# EAGLE board Mk4 Final Panel 8up 4x2 (EAGLE 9.0.1), part 5 of 23
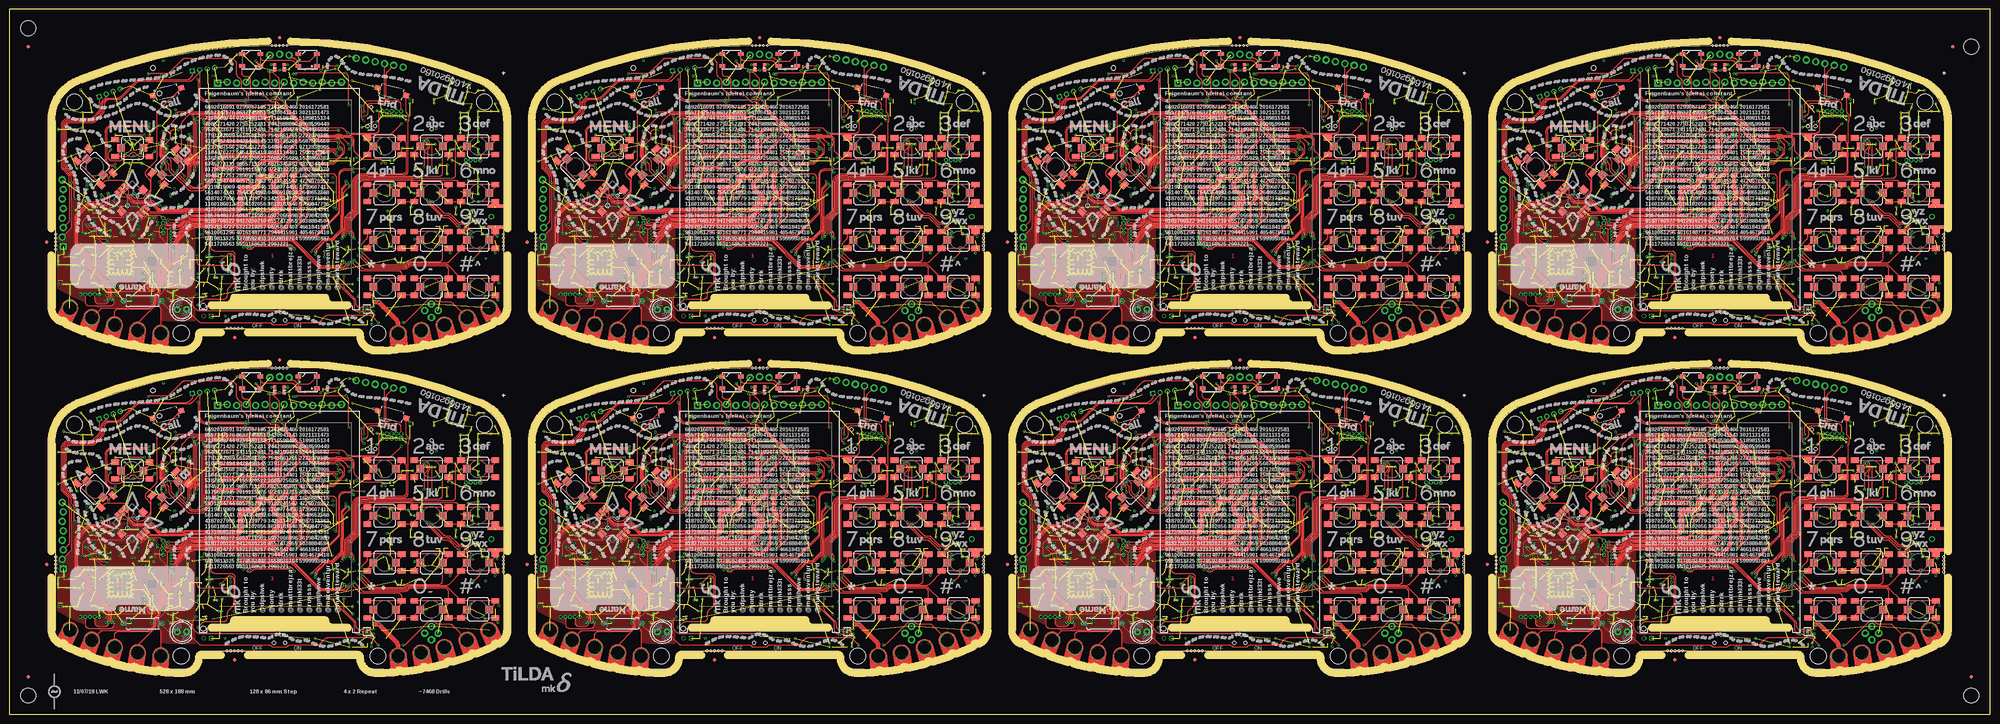
[diagram p0: board, top side]
## Nets (continued)
GND3: ANT7.2 ANT7.3 ANT7.4 ANT8.2 ANT8.3 ANT8.4 C325.1 C326.1 C327.2 C328.1 C329.1 C330.1 C331.1 C332.1 C333.1 C334.1 C335.1 C336.1 C337.1 C338.1 C339.1 C340.1 C341.1 C342.1 C343.1 C344.1 C345.1 C346.1 C347.1 C348.1 C349.1 C350.1 C351.1 C352.1 C353.1 C354.1 C355.- C356.1 C357.1 C358.- C359.2 C360.2 C361.2 C362.2 C363.2 C364.2 C365.1 C367.2 C368.2 C369.1 C370.1 C371.1 C372.1 C373.1 C374.1 C376.2 C377.2 C378.2 C380.2 C382.2 C383.2 C384.2 C386.2 C387.1 C388.1 C389.1 C390.1 C391.1 C392.1 C393.1 C394.1 C395.1 C401.2 C402.1 C403.1 C404.2 C405.2 C406.2 C407.2 C408.2 C409.2 C410.2 C411.2 C412.2 C413.2 C414.2 C415.2 C416.2 C417.2 C418.2 C419.2 C420.2 C421.2 C422.1 C423.1 C424.1 C425.1 C426.2 C428.2 C430.2 C431.2 C432.2 D7.A D8.2 FL4.GND@2 FL4.GND@4 IC55.6 IC55.12 IC55.28 IC55.41 IC55.46 IC55.52 IC55.54 IC56.10 IC56.17 IC56.48 IC56.55 IC56.58 IC56.80 IC56.114 IC57.8 IC57.13 IC57.19 IC57.21 IC57.27 IC57.30 IC57.31 IC57.33 IC57.36 IC57.37 IC58.4 IC59.3 IC60.17 IC60.18 IC60.25 IC61.3 IC62.4 IC63.7 IC64.7 IC64.PAD IC65.PAD IC66.4 IC67.9 IC67.18 IC67.23 IC67.24 IC67.25 IC68.2 IC68.4 IC69.3 IC69.5 IC70.2 IC70.3 IC70.PAD IC71.2 IC71.3 IC72.3 J31.6 J31.11 J31.12 J31.13 J31.14 J31.15 J31.16 J31.17 J31.18 J31.19 J31.20 J31.21 J31.22 J31.23 J31.24 J31.25 J31.26 J31.27 J31.28 J31.29 J31.30 J31.31 J31.32 J31.43 J31.48 J31.49 J31.50 J32.1 J33.3 J33.5 J33.9 J34.C4 J34.C5 J34.GND1 J34.GND2 J34.GND3 J34.GND4 J34.GND5 J34.GND6 J36.4 J36.8 J36.SS1 J36.SS2 J37.4 J38.4 J38.8 J38.SS1 J38.SS2 J39.G@1 J39.G@2 J39.G@3 J39.G@4 J40.1 JP28.5 JP29.1 JP30.1 JP30.2 JP30.4 JP31.1 JP32.1 JP33.1 JP34.1 JP35.1 JP36.1 LED19.3 LED20.3 LED21.C LED22.C PCB3.GND Q13.4 Q13.EP2 Q14.2 Q15.2 R243.2 R247.2 R253.1 R255.2 R257.2 R263.2 R268.2 R270.2 R277.2 R278.2 R285.2 R289.1 R293.2 R295.2 R296.2 R297.2 R298.2 R299.2 R304.2 R305.2 R306.2 R311.2 S64.1 S64.A1 S64.A2 S65.1 S65.A1 S65.A2 S66.1 S66.A1 S66.A2 S67.1 S67.A1 S67.A2 S68.1 S68.A1 S68.A2 S69.1 S69.A1 S69.A2 S70.1 S70.A1 S70.A2 S71.1 S71.A1 S71.A2 S72.1 S72.A1 S72.A2 S73.1 S73.A1 S73.A2 S74.1 S74.A1 S74.A2 S75.1 S75.A1 S75.A2 S76.1 S76.A1 S76.A2 S77.1 S77.A1 S77.A2 S78.1 S78.A1 S78.A2 S79.1 S80.1 S81.2 S82.1 S83.1 TP74.TP U10.GND X14.2 X14.4 X16.2 X16.4
GND4: ANT9.2 ANT9.3 ANT9.4 ANT10.2 ANT10.3 ANT10.4 C433.1 C434.1 C435.2 C436.1 C437.1 C438.1 C439.1 C440.1 C441.1 C442.1 C443.1 C444.1 C445.1 C446.1 C447.1 C448.1 C449.1 C450.1 C451.1 C452.1 C453.1 C454.1 C455.1 C456.1 C457.1 C458.1 C459.1 C460.1 C461.1 C462.1 C463.- C464.1 C465.1 C466.- C467.2 C468.2 C469.2 C470.2 C471.2 C472.2 C473.1 C475.2 C476.2 C477.1 C478.1 C479.1 C480.1 C481.1 C482.1 C484.2 C485.2 C486.2 C488.2 C490.2 C491.2 C492.2 C494.2 C495.1 C496.1 C497.1 C498.1 C499.1 C500.1 C501.1 C502.1 C503.1 C509.2 C510.1 C511.1 C512.2 C513.2 C514.2 C515.2 C516.2 C517.2 C518.2 C519.2 C520.2 C521.2 C522.2 C523.2 C524.2 C525.2 C526.2 C527.2 C528.2 C529.2 C530.1 C531.1 C532.1 C533.1 C534.2 C536.2 C538.2 C539.2 C540.2 D9.A D10.2 FL5.GND@2 FL5.GND@4 IC73.6 IC73.12 IC73.28 IC73.41 IC73.46 IC73.52 IC73.54 IC74.10 IC74.17 IC74.48 IC74.55 IC74.58 IC74.80 IC74.114 IC75.8 IC75.13 IC75.19 IC75.21 IC75.27 IC75.30 IC75.31 IC75.33 IC75.36 IC75.37 IC76.4 IC77.3 IC78.17 IC78.18 IC78.25 IC79.3 IC80.4 IC81.7 IC82.7 IC82.PAD IC83.PAD IC84.4 IC85.9 IC85.18 IC85.23 IC85.24 IC85.25 IC86.2 IC86.4 IC87.3 IC87.5 IC88.2 IC88.3 IC88.PAD IC89.2 IC89.3 IC90.3 J41.6 J41.11 J41.12 J41.13 J41.14 J41.15 J41.16 J41.17 J41.18 J41.19 J41.20 J41.21 J41.22 J41.23 J41.24 J41.25 J41.26 J41.27 J41.28 J41.29 J41.30 J41.31 J41.32 J41.43 J41.48 J41.49 J41.50 J42.1 J43.3 J43.5 J43.9 J44.C4 J44.C5 J44.GND1 J44.GND2 J44.GND3 J44.GND4 J44.GND5 J44.GND6 J46.4 J46.8 J46.SS1 J46.SS2 J47.4 J48.4 J48.8 J48.SS1 J48.SS2 J49.G@1 J49.G@2 J49.G@3 J49.G@4 J50.1 JP37.5 JP38.1 JP39.1 JP39.2 JP39.4 JP40.1 JP41.1 JP42.1 JP43.1 JP44.1 JP45.1 LED25.3 LED26.3 LED27.C LED28.C PCB4.GND Q17.4 Q17.EP2 Q18.2 Q19.2 R321.2 R325.2 R331.1 R333.2 R335.2 R341.2 R346.2 R348.2 R355.2 R356.2 R363.2 R367.1 R371.2 R373.2 R374.2 R375.2 R376.2 R377.2 R382.2 R383.2 R384.2 R389.2 S85.1 S85.A1 S85.A2 S86.1 S86.A1 S86.A2 S87.1 S87.A1 S87.A2 S88.1 S88.A1 S88.A2 S89.1 S89.A1 S89.A2 S90.1 S90.A1 S90.A2 S91.1 S91.A1 S91.A2 S92.1 S92.A1 S92.A2 S93.1 S93.A1 S93.A2 S94.1 S94.A1 S94.A2 S95.1 S95.A1 S95.A2 S96.1 S96.A1 S96.A2 S97.1 S97.A1 S97.A2 S98.1 S98.A1 S98.A2 S99.1 S99.A1 S99.A2 S100.1 S101.1 S102.2 S103.1 S104.1 TP93.TP U13.GND X18.2 X18.4 X20.2 X20.4
GND5: ANT11.2 ANT11.3 ANT11.4 ANT12.2 ANT12.3 ANT12.4 C541.1 C542.1 C543.2 C544.1 C545.1 C546.1 C547.1 C548.1 C549.1 C550.1 C551.1 C552.1 C553.1 C554.1 C555.1 C556.1 C557.1 C558.1 C559.1 C560.1 C561.1 C562.1 C563.1 C564.1 C565.1 C566.1 C567.1 C568.1 C569.1 C570.1 C571.- C572.1 C573.1 C574.- C575.2 C576.2 C577.2 C578.2 C579.2 C580.2 C581.1 C583.2 C584.2 C585.1 C586.1 C587.1 C588.1 C589.1 C590.1 C592.2 C593.2 C594.2 C596.2 C598.2 C599.2 C600.2 C602.2 C603.1 C604.1 C605.1 C606.1 C607.1 C608.1 C609.1 C610.1 C611.1 C617.2 C618.1 C619.1 C620.2 C621.2 C622.2 C623.2 C624.2 C625.2 C626.2 C627.2 C628.2 C629.2 C630.2 C631.2 C632.2 C633.2 C634.2 C635.2 C636.2 C637.2 C638.1 C639.1 C640.1 C641.1 C642.2 C644.2 C646.2 C647.2 C648.2 D11.A D12.2 FL6.GND@2 FL6.GND@4 IC91.6 IC91.12 IC91.28 IC91.41 IC91.46 IC91.52 IC91.54 IC92.10 IC92.17 IC92.48 IC92.55 IC92.58 IC92.80 IC92.114 IC93.8 IC93.13 IC93.19 IC93.21 IC93.27 IC93.30 IC93.31 IC93.33 IC93.36 IC93.37 IC94.4 IC95.3 IC96.17 IC96.18 IC96.25 IC97.3 IC98.4 IC99.7 IC100.7 IC100.PAD IC101.PAD IC102.4 IC103.9 IC103.18 IC103.23 IC103.24 IC103.25 IC104.2 IC104.4 IC105.3 IC105.5 IC106.2 IC106.3 IC106.PAD IC107.2 IC107.3 IC108.3 J51.6 J51.11 J51.12 J51.13 J51.14 J51.15 J51.16 J51.17 J51.18 J51.19 J51.20 J51.21 J51.22 J51.23 J51.24 J51.25 J51.26 J51.27 J51.28 J51.29 J51.30 J51.31 J51.32 J51.43 J51.48 J51.49 J51.50 J52.1 J53.3 J53.5 J53.9 J54.C4 J54.C5 J54.GND1 J54.GND2 J54.GND3 J54.GND4 J54.GND5 J54.GND6 J56.4 J56.8 J56.SS1 J56.SS2 J57.4 J58.4 J58.8 J58.SS1 J58.SS2 J59.G@1 J59.G@2 J59.G@3 J59.G@4 J60.1 JP46.5 JP47.1 JP48.1 JP48.2 JP48.4 JP49.1 JP50.1 JP51.1 JP52.1 JP53.1 JP54.1 LED31.3 LED32.3 LED33.C LED34.C PCB5.GND Q21.4 Q21.EP2 Q22.2 Q23.2 R399.2 R403.2 R409.1 R411.2 R413.2 R419.2 R424.2 R426.2 R433.2 R434.2 R441.2 R445.1 R449.2 R451.2 R452.2 R453.2 R454.2 R455.2 R460.2 R461.2 R462.2 R467.2 S106.1 S106.A1 S106.A2 S107.1 S107.A1 S107.A2 S108.1 S108.A1 S108.A2 S109.1 S109.A1 S109.A2 S110.1 S110.A1 S110.A2 S111.1 S111.A1 S111.A2 S112.1 S112.A1 S112.A2 S113.1 S113.A1 S113.A2 S114.1 S114.A1 S114.A2 S115.1 S115.A1 S115.A2 S116.1 S116.A1 S116.A2 S117.1 S117.A1 S117.A2 S118.1 S118.A1 S118.A2 S119.1 S119.A1 S119.A2 S120.1 S120.A1 S120.A2 S121.1 S122.1 S123.2 S124.1 S125.1 TP112.TP U16.GND X22.2 X22.4 X24.2 X24.4
GND6: ANT13.2 ANT13.3 ANT13.4 ANT14.2 ANT14.3 ANT14.4 C649.1 C650.1 C651.2 C652.1 C653.1 C654.1 C655.1 C656.1 C657.1 C658.1 C659.1 C660.1 C661.1 C662.1 C663.1 C664.1 C665.1 C666.1 C667.1 C668.1 C669.1 C670.1 C671.1 C672.1 C673.1 C674.1 C675.1 C676.1 C677.1 C678.1 C679.- C680.1 C681.1 C682.- C683.2 C684.2 C685.2 C686.2 C687.2 C688.2 C689.1 C691.2 C692.2 C693.1 C694.1 C695.1 C696.1 C697.1 C698.1 C700.2 C701.2 C702.2 C704.2 C706.2 C707.2 C708.2 C710.2 C711.1 C712.1 C713.1 C714.1 C715.1 C716.1 C717.1 C718.1 C719.1 C725.2 C726.1 C727.1 C728.2 C729.2 C730.2 C731.2 C732.2 C733.2 C734.2 C735.2 C736.2 C737.2 C738.2 C739.2 C740.2 C741.2 C742.2 C743.2 C744.2 C745.2 C746.1 C747.1 C748.1 C749.1 C750.2 C752.2 C754.2 C755.2 C756.2 D13.A D14.2 FL7.GND@2 FL7.GND@4 IC109.6 IC109.12 IC109.28 IC109.41 IC109.46 IC109.52 IC109.54 IC110.10 IC110.17 IC110.48 IC110.55 IC110.58 IC110.80 IC110.114 IC111.8 IC111.13 IC111.19 IC111.21 IC111.27 IC111.30 IC111.31 IC111.33 IC111.36 IC111.37 IC112.4 IC113.3 IC114.17 IC114.18 IC114.25 IC115.3 IC116.4 IC117.7 IC118.7 IC118.PAD IC119.PAD IC120.4 IC121.9 IC121.18 IC121.23 IC121.24 IC121.25 IC122.2 IC122.4 IC123.3 IC123.5 IC124.2 IC124.3 IC124.PAD IC125.2 IC125.3 IC126.3 J61.6 J61.11 J61.12 J61.13 J61.14 J61.15 J61.16 J61.17 J61.18 J61.19 J61.20 J61.21 J61.22 J61.23 J61.24 J61.25 J61.26 J61.27 J61.28 J61.29 J61.30 J61.31 J61.32 J61.43 J61.48 J61.49 J61.50 J62.1 J63.3 J63.5 J63.9 J64.C4 J64.C5 J64.GND1 J64.GND2 J64.GND3 J64.GND4 J64.GND5 J64.GND6 J66.4 J66.8 J66.SS1 J66.SS2 J67.4 J68.4 J68.8 J68.SS1 J68.SS2 J69.G@1 J69.G@2 J69.G@3 J69.G@4 J70.1 JP55.5 JP56.1 JP57.1 JP57.2 JP57.4 JP58.1 JP59.1 JP60.1 JP61.1 JP62.1 JP63.1 LED37.3 LED38.3 LED39.C LED40.C PCB6.GND Q25.4 Q25.EP2 Q26.2 Q27.2 R477.2 R481.2 R487.1 R489.2 R491.2 R497.2 R502.2 R504.2 R511.2 R512.2 R519.2 R523.1 R527.2 R529.2 R530.2 R531.2 R532.2 R533.2 R538.2 R539.2 R540.2 R545.2 S127.1 S127.A1 S127.A2 S128.1 S128.A1 S128.A2 S129.1 S129.A1 S129.A2 S130.1 S130.A1 S130.A2 S131.1 S131.A1 S131.A2 S132.1 S132.A1 S132.A2 S133.1 S133.A1 S133.A2 S134.1 S134.A1 S134.A2 S135.1 S135.A1 S135.A2 S136.1 S136.A1 S136.A2 S137.1 S137.A1 S137.A2 S138.1 S138.A1 S138.A2 S139.1 S139.A1 S139.A2 S140.1 S140.A1 S140.A2 S141.1 S141.A1 S141.A2 S142.1 S143.1 S144.2 S145.1 S146.1 TP131.TP U19.GND X26.2 X26.4 X28.2 X28.4
GND7: ANT15.2 ANT15.3 ANT15.4 ANT16.2 ANT16.3 ANT16.4 C757.1 C758.1 C759.2 C760.1 C761.1 C762.1 C763.1 C764.1 C765.1 C766.1 C767.1 C768.1 C769.1 C770.1 C771.1 C772.1 C773.1 C774.1 C775.1 C776.1 C777.1 C778.1 C779.1 C780.1 C781.1 C782.1 C783.1 C784.1 C785.1 C786.1 C787.- C788.1 C789.1 C790.- C791.2 C792.2 C793.2 C794.2 C795.2 C796.2 C797.1 C799.2 C800.2 C801.1 C802.1 C803.1 C804.1 C805.1 C806.1 C808.2 C809.2 C810.2 C812.2 C814.2 C815.2 C816.2 C818.2 C819.1 C820.1 C821.1 C822.1 C823.1 C824.1 C825.1 C826.1 C827.1 C833.2 C834.1 C835.1 C836.2 C837.2 C838.2 C839.2 C840.2 C841.2 C842.2 C843.2 C844.2 C845.2 C846.2 C847.2 C848.2 C849.2 C850.2 C851.2 C852.2 C853.2 C854.1 C855.1 C856.1 C857.1 C858.2 C860.2 C862.2 C863.2 C864.2 D15.A D16.2 FL8.GND@2 FL8.GND@4 IC127.6 IC127.12 IC127.28 IC127.41 IC127.46 IC127.52 IC127.54 IC128.10 IC128.17 IC128.48 IC128.55 IC128.58 IC128.80 IC128.114 IC129.8 IC129.13 IC129.19 IC129.21 IC129.27 IC129.30 IC129.31 IC129.33 IC129.36 IC129.37 IC130.4 IC131.3 IC132.17 IC132.18 IC132.25 IC133.3 IC134.4 IC135.7 IC136.7 IC136.PAD IC137.PAD IC138.4 IC139.9 IC139.18 IC139.23 IC139.24 IC139.25 IC140.2 IC140.4 IC141.3 IC141.5 IC142.2 IC142.3 IC142.PAD IC143.2 IC143.3 IC144.3 J71.6 J71.11 J71.12 J71.13 J71.14 J71.15 J71.16 J71.17 J71.18 J71.19 J71.20 J71.21 J71.22 J71.23 J71.24 J71.25 J71.26 J71.27 J71.28 J71.29 J71.30 J71.31 J71.32 J71.43 J71.48 J71.49 J71.50 J72.1 J73.3 J73.5 J73.9 J74.C4 J74.C5 J74.GND1 J74.GND2 J74.GND3 J74.GND4 J74.GND5 J74.GND6 J76.4 J76.8 J76.SS1 J76.SS2 J77.4 J78.4 J78.8 J78.SS1 J78.SS2 J79.G@1 J79.G@2 J79.G@3 J79.G@4 J80.1 JP64.5 JP65.1 JP66.1 JP66.2 JP66.4 JP67.1 JP68.1 JP69.1 JP70.1 JP71.1 JP72.1 LED43.3 LED44.3 LED45.C LED46.C PCB7.GND Q29.4 Q29.EP2 Q30.2 Q31.2 R555.2 R559.2 R565.1 R567.2 R569.2 R575.2 R580.2 R582.2 R589.2 R590.2 R597.2 R601.1 R605.2 R607.2 R608.2 R609.2 R610.2 R611.2 R616.2 R617.2 R618.2 R623.2 S148.1 S148.A1 S148.A2 S149.1 S149.A1 S149.A2 S150.1 S150.A1 S150.A2 S151.1 S151.A1 S151.A2 S152.1 S152.A1 S152.A2 S153.1 S153.A1 S153.A2 S154.1 S154.A1 S154.A2 S155.1 S155.A1 S155.A2 S156.1 S156.A1 S156.A2 S157.1 S157.A1 S157.A2 S158.1 S158.A1 S158.A2 S159.1 S159.A1 S159.A2 S160.1 S160.A1 S160.A2 S161.1 S161.A1 S161.A2 S162.1 S162.A1 S162.A2 S163.1 S164.1 S165.2 S166.1 S167.1 TP150.TP U22.GND X30.2 X30.4 X32.2 X32.4
GSM_ANT [50R Single]: C72.2 IC5.32 L3.1
GSM_ANT1 [50R Single]: C173.2 IC21.32 L13.1
GSM_ANT2 [50R Single]: C281.2 IC39.32 L22.1
GSM_ANT3 [50R Single]: C389.2 IC57.32 L31.1
GSM_ANT4 [50R Single]: C497.2 IC75.32 L40.1
GSM_ANT5 [50R Single]: C605.2 IC93.32 L49.1
GSM_ANT6 [50R Single]: C713.2 IC111.32 L58.1
GSM_ANT7 [50R Single]: C821.2 IC129.32 L67.1
HDC_INT: IC1.95 IC3.4
HDC_INT1: IC20.95 IC35.4
HDC_INT2: IC38.95 IC53.4
HDC_INT3: IC56.95 IC71.4
HDC_INT4: IC74.95 IC89.4
HDC_INT5: IC92.95 IC107.4
HDC_INT6: IC110.95 IC125.4
HDC_INT7: IC128.95 IC143.4
HEADSET_DET: IC1.98 J9.7
HEADSET_DET1: IC20.98 J17.7
HEADSET_DET2: IC38.98 J27.7
HEADSET_DET3: IC56.98 J37.7
HEADSET_DET4: IC74.98 J47.7
HEADSET_DET5: IC92.98 J57.7
HEADSET_DET6: IC110.98 J67.7
HEADSET_DET7: IC128.98 J77.7
I2C4_SCL: IC1.61 IC3.6 IC4.19 IC8.5 IC16.1 IC17.4 R22.1
I2C4_SCL1: IC20.61 IC24.5 IC31.19 IC32.1 IC34.4 IC35.6 R104.1
I2C4_SCL2: IC38.61 IC42.5 IC49.19 IC50.1 IC52.4 IC53.6 R182.1
I2C4_SCL3: IC56.61 IC60.5 IC67.19 IC68.1 IC70.4 IC71.6 R260.1
I2C4_SCL4: IC74.61 IC78.5 IC85.19 IC86.1 IC88.4 IC89.6 R338.1
I2C4_SCL5: IC92.61 IC96.5 IC103.19 IC104.1 IC106.4 IC107.6 R416.1
I2C4_SCL6: IC110.61 IC114.5 IC121.19 IC122.1 IC124.4 IC125.6 R494.1
I2C4_SCL7: IC128.61 IC132.5 IC139.19 IC140.1 IC142.4 IC143.6 R572.1
I2C4_SDA: IC1.60 IC3.1 IC4.20 IC8.6 IC16.6 IC17.6 R21.1
I2C4_SDA1: IC20.60 IC24.6 IC31.20 IC32.6 IC34.6 IC35.1 R103.1
I2C4_SDA2: IC38.60 IC42.6 IC49.20 IC50.6 IC52.6 IC53.1 R181.1
I2C4_SDA3: IC56.60 IC60.6 IC67.20 IC68.6 IC70.6 IC71.1 R259.1
I2C4_SDA4: IC74.60 IC78.6 IC85.20 IC86.6 IC88.6 IC89.1 R337.1
I2C4_SDA5: IC92.60 IC96.6 IC103.20 IC104.6 IC106.6 IC107.1 R415.1
I2C4_SDA6: IC110.60 IC114.6 IC121.20 IC122.6 IC124.6 IC125.1 R493.1
I2C4_SDA7: IC128.60 IC132.6 IC139.20 IC140.6 IC142.6 IC143.1 R571.1
I2C5_EXT_SCL: IC1.121 J8.1 J8.5 J11.3 JP6.6 PCB.SCL R24.1
I2C5_EXT_SCL1: IC20.121 J18.1 J18.5 J20.3 JP17.6 PCB1.SCL R106.1
I2C5_EXT_SCL2: IC38.121 J28.1 J28.5 J30.3 JP26.6 PCB2.SCL R184.1
I2C5_EXT_SCL3: IC56.121 J38.1 J38.5 J40.3 JP35.6 PCB3.SCL R262.1
I2C5_EXT_SCL4: IC74.121 J48.1 J48.5 J50.3 JP44.6 PCB4.SCL R340.1
I2C5_EXT_SCL5: IC92.121 J58.1 J58.5 J60.3 JP53.6 PCB5.SCL R418.1
I2C5_EXT_SCL6: IC110.121 J68.1 J68.5 J70.3 JP62.6 PCB6.SCL R496.1
I2C5_EXT_SCL7: IC128.121 J78.1 J78.5 J80.3 JP71.6 PCB7.SCL R574.1
I2C5_EXT_SDA: IC1.120 J8.2 J8.6 J11.4 JP6.7 PCB.SDA R23.1
I2C5_EXT_SDA1: IC20.120 J18.2 J18.6 J20.4 JP17.7 PCB1.SDA R105.1
I2C5_EXT_SDA2: IC38.120 J28.2 J28.6 J30.4 JP26.7 PCB2.SDA R183.1
I2C5_EXT_SDA3: IC56.120 J38.2 J38.6 J40.4 JP35.7 PCB3.SDA R261.1
I2C5_EXT_SDA4: IC74.120 J48.2 J48.6 J50.4 JP44.7 PCB4.SDA R339.1
I2C5_EXT_SDA5: IC92.120 J58.2 J58.6 J60.4 JP53.7 PCB5.SDA R417.1
I2C5_EXT_SDA6: IC110.120 J68.2 J68.6 J70.4 JP62.7 PCB6.SDA R495.1
I2C5_EXT_SDA7: IC128.120 J78.2 J78.6 J80.4 JP71.7 PCB7.SDA R573.1
JOY_CEN: IC1.72 SW1.CTR
JOY_CEN1: IC20.72 SW2.CTR
JOY_CEN2: IC38.72 SW3.CTR
JOY_CEN3: IC56.72 SW4.CTR
JOY_CEN4: IC74.72 SW5.CTR
JOY_CEN5: IC92.72 SW6.CTR
JOY_CEN6: IC110.72 SW7.CTR
JOY_CEN7: IC128.72 SW8.CTR
JOY_DOWN: IC1.74 SW1.D
JOY_DOWN1: IC20.74 SW2.D
JOY_DOWN2: IC38.74 SW3.D
JOY_DOWN3: IC56.74 SW4.D
JOY_DOWN4: IC74.74 SW5.D
JOY_DOWN5: IC92.74 SW6.D
JOY_DOWN6: IC110.74 SW7.D
JOY_DOWN7: IC128.74 SW8.D
JOY_LEFT: IC1.73 SW1.C
JOY_LEFT1: IC20.73 SW2.C
JOY_LEFT2: IC38.73 SW3.C
JOY_LEFT3: IC56.73 SW4.C
JOY_LEFT4: IC74.73 SW5.C
JOY_LEFT5: IC92.73 SW6.C
JOY_LEFT6: IC110.73 SW7.C
JOY_LEFT7: IC128.73 SW8.C
JOY_RIGHT: IC1.91 SW1.B
JOY_RIGHT1: IC20.91 SW2.B
JOY_RIGHT2: IC38.91 SW3.B
JOY_RIGHT3: IC56.91 SW4.B
JOY_RIGHT4: IC74.91 SW5.B
JOY_RIGHT5: IC92.91 SW6.B
JOY_RIGHT6: IC110.91 SW7.B
JOY_RIGHT7: IC128.91 SW8.B
JOY_UP: IC1.71 SW1.A
JOY_UP1: IC20.71 SW2.A
JOY_UP2: IC38.71 SW3.A
JOY_UP3: IC56.71 SW4.A
JOY_UP4: IC74.71 SW5.A
JOY_UP5: IC92.71 SW6.A
JOY_UP6: IC110.71 SW7.A
JOY_UP7: IC128.71 SW8.A
LCD_!RST: IC1.111 J2.10
LCD_!RST1: IC20.111 J6.10
LCD_!RST2: IC38.111 J21.10
LCD_!RST3: IC56.111 J31.10
LCD_!RST4: IC74.111 J41.10
LCD_!RST5: IC92.111 J51.10
LCD_!RST6: IC110.111 J61.10
LCD_!RST7: IC128.111 J71.10
LCD_DCX: IC1.20 J2.36
LCD_DCX1: IC20.20 J6.36
LCD_DCX2: IC38.20 J21.36
LCD_DCX3: IC56.20 J31.36
LCD_DCX4: IC74.20 J41.36
LCD_DCX5: IC92.20 J51.36
LCD_DCX6: IC110.20 J61.36
LCD_DCX7: IC128.20 J71.36
LCD_TEAR: IC1.21 J2.39
LCD_TEAR1: IC20.21 J6.39
LCD_TEAR2: IC38.21 J21.39
LCD_TEAR3: IC56.21 J31.39
LCD_TEAR4: IC74.21 J41.39
LCD_TEAR5: IC92.21 J51.39
LCD_TEAR6: IC110.21 J61.39
LCD_TEAR7: IC128.21 J71.39
LED1: IC1.86 R12.2
LED1_R: LED3.A R12.1
LED1_R1: LED9.A R83.1
LED1_R2: LED15.A R161.1
LED1_R3: LED21.A R239.1
LED1_R4: LED27.A R317.1
LED1_R5: LED33.A R395.1
LED1_R6: LED39.A R473.1
LED1_R7: LED45.A R551.1
LED2: IC1.85 R14.2
LED2_R: LED4.A R14.1
LED2_R1: LED10.A R84.1
LED2_R2: LED16.A R162.1
LED2_R3: LED22.A R240.1
LED2_R4: LED28.A R318.1
LED2_R5: LED34.A R396.1
LED2_R6: LED40.A R474.1
LED2_R7: LED46.A R552.1
LED3: IC20.86 R83.2
LED4: IC20.85 R84.2
LED5: IC38.86 R161.2
LED5_R: LED5.A R11.1
LED5_R1: LED11.A R95.1
LED5_R2: LED17.A R173.1
LED5_R3: LED23.A R251.1
LED5_R4: LED29.A R329.1
LED5_R5: LED35.A R407.1
LED5_R6: LED41.A R485.1
LED5_R7: LED47.A R563.1
LED6: IC38.85 R162.2
LED7: IC56.86 R239.2
LED8: IC56.85 R240.2
LED9: IC74.86 R317.2
LED10: IC74.85 R318.2
LED11: IC92.86 R395.2
LED12: IC92.85 R396.2
LED13: IC110.86 R473.2
LED14: IC110.85 R474.2
LED15: IC128.86 R551.2
LED16: IC128.85 R552.2
LEDK: Q8.1 Q8.2 Q8.5 Q8.6 Q8.EP1 R44.1 R47.1 R48.1 R49.1
LEDK1: J2.2 R47.2
LEDK2: J2.3 R48.2
LEDK3: J2.4 R49.2
LEDK4: J2.5 R44.2
LEDK5: J6.2 R79.2
LEDK6: J6.3 R80.2
LEDK7: J6.4 R81.2
LEDK8: J6.5 R82.2
LEDK9: Q4.1 Q4.2 Q4.5 Q4.6 Q4.EP1 R79.1 R80.1 R81.1 R82.1
LEDK10: J21.2 R157.2
LEDK11: J21.3 R158.2
LEDK12: J21.4 R159.2
LEDK13: J21.5 R160.2
LEDK14: Q9.1 Q9.2 Q9.5 Q9.6 Q9.EP1 R157.1 R158.1 R159.1 R160.1
LEDK15: J31.2 R235.2
LEDK16: J31.3 R236.2
LEDK17: J31.4 R237.2
LEDK18: J31.5 R238.2
LEDK19: Q13.1 Q13.2 Q13.5 Q13.6 Q13.EP1 R235.1 R236.1 R237.1 R238.1
LEDK20: J41.2 R313.2
LEDK21: J41.3 R314.2
LEDK22: J41.4 R315.2
LEDK23: J41.5 R316.2
LEDK24: Q17.1 Q17.2 Q17.5 Q17.6 Q17.EP1 R313.1 R314.1 R315.1 R316.1
LEDK25: J51.2 R391.2
LEDK26: J51.3 R392.2
LEDK27: J51.4 R393.2
LEDK28: J51.5 R394.2
LEDK29: Q21.1 Q21.2 Q21.5 Q21.6 Q21.EP1 R391.1 R392.1 R393.1 R394.1
LEDK30: J61.2 R469.2
LEDK31: J61.3 R470.2
LEDK32: J61.4 R471.2
LEDK33: J61.5 R472.2
LEDK34: Q25.1 Q25.2 Q25.5 Q25.6 Q25.EP1 R469.1 R470.1 R471.1 R472.1
LEDK35: J71.2 R547.2
LEDK36: J71.3 R548.2
LEDK37: J71.4 R549.2
LEDK38: J71.5 R550.2
LEDK39: Q29.1 Q29.2 Q29.5 Q29.6 Q29.EP1 R547.1 R548.1 R549.1 R550.1
MIC_MUX_N [Audio]: IC5.10 IC12.9 IC12.11
MIC_MUX_N1 [Audio]: IC21.10 IC27.9 IC27.11
MIC_MUX_N2 [Audio]: IC39.10 IC45.9 IC45.11
MIC_MUX_N3 [Audio]: IC57.10 IC63.9 IC63.11
MIC_MUX_N4 [Audio]: IC75.10 IC81.9 IC81.11
MIC_MUX_N5 [Audio]: IC93.10 IC99.9 IC99.11
MIC_MUX_N6 [Audio]: IC111.10 IC117.9 IC117.11
MIC_MUX_N7 [Audio]: IC129.10 IC135.9 IC135.11
MIC_MUX_P [Audio]: IC5.9 IC12.1 IC12.3
MIC_MUX_P1 [Audio]: IC21.9 IC27.1 IC27.3
MIC_MUX_P2 [Audio]: IC39.9 IC45.1 IC45.3
MIC_MUX_P3 [Audio]: IC57.9 IC63.1 IC63.3
MIC_MUX_P4 [Audio]: IC75.9 IC81.1 IC81.3
MIC_MUX_P5 [Audio]: IC93.9 IC99.1 IC99.3
MIC_MUX_P6 [Audio]: IC111.9 IC117.1 IC117.3
MIC_MUX_P7 [Audio]: IC129.9 IC135.1 IC135.3
MIC_N [Audio]: C52.2 C53.1 C55.1 C56.2 S22.6 U4.-
MIC_N1 [Audio]: C159.2 C160.1 C162.1 C163.2 S42.6 U3.-
MIC_N2 [Audio]: C267.2 C268.1 C270.1 C271.2 S63.6 U8.-
MIC_N3 [Audio]: C375.2 C376.1 C378.1 C379.2 S84.6 U11.-
MIC_N4 [Audio]: C483.2 C484.1 C486.1 C487.2 S105.6 U14.-
MIC_N5 [Audio]: C591.2 C592.1 C594.1 C595.2 S126.6 U17.-
MIC_N6 [Audio]: C699.2 C700.1 C702.1 C703.2 S147.6 U20.-
MIC_N7 [Audio]: C807.2 C808.1 C810.1 C811.2 S168.6 U23.-
MIC_P [Audio]: C52.1 C54.1 C56.1 C57.1 S22.3 U4.+
MIC_P1 [Audio]: C159.1 C161.1 C163.1 C164.1 S42.3 U3.+
MIC_P2 [Audio]: C267.1 C269.1 C271.1 C272.1 S63.3 U8.+
MIC_P3 [Audio]: C375.1 C377.1 C379.1 C380.1 S84.3 U11.+
MIC_P4 [Audio]: C483.1 C485.1 C487.1 C488.1 S105.3 U14.+
MIC_P5 [Audio]: C591.1 C593.1 C595.1 C596.1 S126.3 U17.+
MIC_P6 [Audio]: C699.1 C701.1 C703.1 C704.1 S147.3 U20.+
MIC_P7 [Audio]: C807.1 C809.1 C811.1 C812.1 S168.3 U23.+
MIC_PWM_AMP: C79.1 C80.2 C81.2 IC11.1 IC11.2
MIC_PWM_AMP1: C180.1 C181.2 C182.2 IC26.1 IC26.2
MIC_PWM_AMP2: C288.1 C289.2 C290.2 IC44.1 IC44.2
MIC_PWM_AMP3: C396.1 C397.2 C398.2 IC62.1 IC62.2
MIC_PWM_AMP4: C504.1 C505.2 C506.2 IC80.1 IC80.2
MIC_PWM_AMP5: C612.1 C613.2 C614.2 IC98.1 IC98.2
MIC_PWM_AMP6: C720.1 C721.2 C722.2 IC116.1 IC116.2
MIC_PWM_AMP7: C828.1 C829.2 C830.2 IC134.1 IC134.2
MIC_PWM_AMP_+: C78.2 IC11.3 R52.2
MIC_PWM_AMP_+1: C179.2 IC26.3 R130.2
MIC_PWM_AMP_+2: C287.2 IC44.3 R208.2
MIC_PWM_AMP_+3: C395.2 IC62.3 R286.2
MIC_PWM_AMP_+4: C503.2 IC80.3 R364.2
MIC_PWM_AMP_+5: C611.2 IC98.3 R442.2
MIC_PWM_AMP_+6: C719.2 IC116.3 R520.2
MIC_PWM_AMP_+7: C827.2 IC134.3 R598.2
MIC_PWM_N [Audio]: C80.1 IC12.8 R54.1
MIC_PWM_N1 [Audio]: C181.1 IC27.8 R132.1
MIC_PWM_N2 [Audio]: C289.1 IC45.8 R210.1
MIC_PWM_N3 [Audio]: C397.1 IC63.8 R288.1
MIC_PWM_N4 [Audio]: C505.1 IC81.8 R366.1
MIC_PWM_N5 [Audio]: C613.1 IC99.8 R444.1
MIC_PWM_N6 [Audio]: C721.1 IC117.8 R522.1
MIC_PWM_N7 [Audio]: C829.1 IC135.8 R600.1
MIC_PWM_P [Audio]: C81.1 IC12.4 R54.2
MIC_PWM_P1 [Audio]: C182.1 IC27.4 R132.2
MIC_PWM_P2 [Audio]: C290.1 IC45.4 R210.2
MIC_PWM_P3 [Audio]: C398.1 IC63.4 R288.2
MIC_PWM_P4 [Audio]: C506.1 IC81.4 R366.2
MIC_PWM_P5 [Audio]: C614.1 IC99.4 R444.2
MIC_PWM_P6 [Audio]: C722.1 IC117.4 R522.2
MIC_PWM_P7 [Audio]: C830.1 IC135.4 R600.2
MIC_PWM_R: C79.2 R52.1 R53.1
MIC_PWM_R1: C180.2 R130.1 R131.1
MIC_PWM_R2: C288.2 R208.1 R209.1
MIC_PWM_R3: C396.2 R286.1 R287.1
MIC_PWM_R4: C504.2 R364.1 R365.1
MIC_PWM_R5: C612.2 R442.1 R443.1
MIC_PWM_R6: C720.2 R520.1 R521.1
MIC_PWM_R7: C828.2 R598.1 R599.1
MIC_SWITCHED_N [Audio]: IC12.10 S22.5
MIC_SWITCHED_N1 [Audio]: IC27.10 S42.5
MIC_SWITCHED_N2 [Audio]: IC45.10 S63.5
MIC_SWITCHED_N3 [Audio]: IC63.10 S84.5
MIC_SWITCHED_N4 [Audio]: IC81.10 S105.5
MIC_SWITCHED_N5 [Audio]: IC99.10 S126.5
MIC_SWITCHED_N6 [Audio]: IC117.10 S147.5
MIC_SWITCHED_N7 [Audio]: IC135.10 S168.5
MIC_SWITCHED_P [Audio]: IC12.2 J9.1 S22.2
MIC_SWITCHED_P1 [Audio]: IC27.2 J17.1 S42.2
MIC_SWITCHED_P2 [Audio]: IC45.2 J27.1 S63.2
MIC_SWITCHED_P3 [Audio]: IC63.2 J37.1 S84.2
MIC_SWITCHED_P4 [Audio]: IC81.2 J47.1 S105.2
MIC_SWITCHED_P5 [Audio]: IC99.2 J57.1 S126.2
MIC_SWITCHED_P6 [Audio]: IC117.2 J67.1 S147.2
MIC_SWITCHED_P7 [Audio]: IC135.2 J77.1 S168.2
MUX_A: IC1.105 IC12.12 IC12.13 R56.1
MUX_A1: IC20.105 IC27.12 IC27.13 R134.1
MUX_A2: IC38.105 IC45.12 IC45.13 R212.1
MUX_A3: IC56.105 IC63.12 IC63.13 R290.1
MUX_A4: IC74.105 IC81.12 IC81.13 R368.1
MUX_A5: IC92.105 IC99.12 IC99.13 R446.1
MUX_A6: IC110.105 IC117.12 IC117.13 R524.1
MUX_A7: IC128.105 IC135.12 IC135.13 R602.1
MUX_B: IC1.106 IC12.5 IC12.6 R55.2
MUX_B1: IC20.106 IC27.5 IC27.6 R133.2
MUX_B2: IC38.106 IC45.5 IC45.6 R211.2
MUX_B3: IC56.106 IC63.5 IC63.6 R289.2
MUX_B4: IC74.106 IC81.5 IC81.6 R367.2
MUX_B5: IC92.106 IC99.5 IC99.6 R445.2
MUX_B6: IC110.106 IC117.5 IC117.6 R523.2
MUX_B7: IC128.106 IC135.5 IC135.6 R601.2
NETLIGHT_R: IC5.41 R42.2
NETLIGHT_R1: IC21.41 R124.2
NETLIGHT_R2: IC39.41 R202.2
NETLIGHT_R3: IC57.41 R280.2
NETLIGHT_R4: IC75.41 R358.2
NETLIGHT_R5: IC93.41 R436.2
NETLIGHT_R6: IC111.41 R514.2
NETLIGHT_R7: IC129.41 R592.2
NRST: JP4.3
NRST1: JP10.3
NRST2: JP19.3
NRST3: JP28.3
NRST4: JP37.3
NRST5: JP46.3
NRST6: JP55.3
NRST7: JP64.3
OSC0: C16.2 IC1.88 X2.1
OSC1: IC1.89 R6.1
OSC1_R: C17.2 R6.2 X2.3
OSC1_R1: C127.2 R90.2 X6.3
OSC1_R2: C235.2 R168.2 X10.3
OSC1_R3: C343.2 R246.2 X14.3
OSC1_R4: C451.2 R324.2 X18.3
OSC1_R5: C559.2 R402.2 X22.3
OSC1_R6: C667.2 R480.2 X26.3
OSC1_R7: C775.2 R558.2 X30.3
OSC2: C126.2 IC20.88 X6.1
OSC3: IC20.89 R90.1
OSC4: C234.2 IC38.88 X10.1
OSC5: IC38.89 R168.1
OSC6: C342.2 IC56.88 X14.1
OSC7: IC56.89 R246.1
OSC8: C450.2 IC74.88 X18.1
OSC9: IC74.89 R324.1
OSC10: C558.2 IC92.88 X22.1
OSC11: IC92.89 R402.1
OSC12: C666.2 IC110.88 X26.1
OSC13: IC110.89 R480.1
OSC14: C774.2 IC128.88 X30.1
OSC15: IC128.89 R558.1
POWER_SWITCH: Q3.4 R13.1 S18.3
POWER_SWITCH1: Q7.4 R96.1 S39.3
POWER_SWITCH2: Q12.4 R174.1 S60.3
POWER_SWITCH3: Q16.4 R252.1 S81.3
POWER_SWITCH4: Q20.4 R330.1 S102.3
POWER_SWITCH5: Q24.4 R408.1 S123.3
POWER_SWITCH6: Q28.4 R486.1 S144.3
POWER_SWITCH7: Q32.4 R564.1 S165.3
PWM2_SPK_PWM: C105.2 IC1.44
PWM2_SPK_PWM1: C213.2 IC20.44
PWM2_SPK_PWM2: C321.2 IC38.44
PWM2_SPK_PWM3: C429.2 IC56.44
PWM2_SPK_PWM4: C537.2 IC74.44
PWM2_SPK_PWM5: C645.2 IC92.44
PWM2_SPK_PWM6: C753.2 IC110.44
PWM2_SPK_PWM7: C861.2 IC128.44
PWM3_MIC_PWM: IC1.45 R53.2
PWM3_MIC_PWM1: IC20.45 R131.2
PWM3_MIC_PWM2: IC38.45 R209.2
PWM3_MIC_PWM3: IC56.45 R287.2
PWM3_MIC_PWM4: IC74.45 R365.2
PWM3_MIC_PWM5: IC92.45 R443.2
PWM3_MIC_PWM6: IC110.45 R521.2
PWM3_MIC_PWM7: IC128.45 R599.2
PWM6_LCD_BLIGHT: IC1.63 Q8.3
PWM6_LCD_BLIGHT1: IC20.63 Q4.3
PWM6_LCD_BLIGHT2: IC38.63 Q9.3
PWM6_LCD_BLIGHT3: IC56.63 Q13.3
PWM6_LCD_BLIGHT4: IC74.63 Q17.3
PWM6_LCD_BLIGHT5: IC92.63 Q21.3
PWM6_LCD_BLIGHT6: IC110.63 Q25.3
PWM6_LCD_BLIGHT7: IC128.63 Q29.3
PWR_KEY_FET: IC5.39 Q1.3
PWR_KEY_FET1: IC21.39 Q6.3
PWR_KEY_FET2: IC39.39 Q11.3
PWR_KEY_FET3: IC57.39 Q15.3
PWR_KEY_FET4: IC75.39 Q19.3
PWR_KEY_FET5: IC93.39 Q23.3
PWR_KEY_FET6: IC111.39 Q27.3
PWR_KEY_FET7: IC129.39 Q31.3
RBIAS+: IC1.59 R3.1
RBIAS+1: IC20.59 R87.1
RBIAS+2: IC38.59 R165.1
RBIAS+3: IC56.59 R243.1
RBIAS+4: IC74.59 R321.1
RBIAS+5: IC92.59 R399.1
RBIAS+6: IC110.59 R477.1
RBIAS+7: IC128.59 R555.1
SDRAM_!CAS: IC1.83 IC2.17
SDRAM_!CAS1: IC19.17 IC20.83
SDRAM_!CAS2: IC37.17 IC38.83
SDRAM_!CAS3: IC55.17 IC56.83
SDRAM_!CAS4: IC73.17 IC74.83
SDRAM_!CAS5: IC91.17 IC92.83
SDRAM_!CAS6: IC109.17 IC110.83